# Altium PCB miniAWTRIX.PcbDoc
Units mil, origin at the board's own origin, x right, y up, seen from the top; angles counter-clockwise.
Board outline 3346.46 x 1377.95 mil, 2 copper layers (Top Layer, Bottom Layer); 46 components, 37 nets, 181 pads, 46 vias.
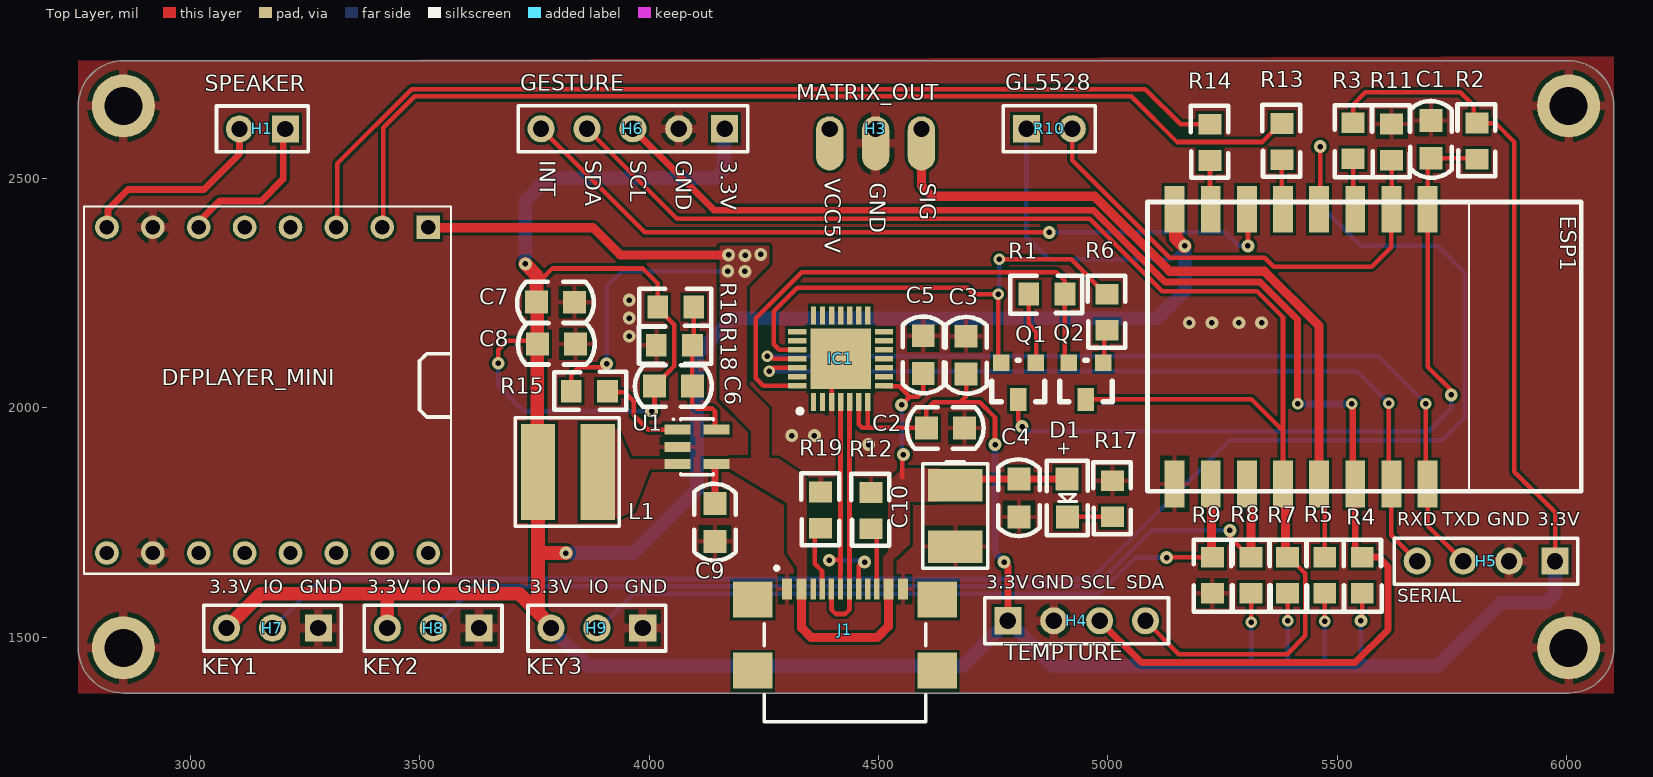
[diagram p0: Top Layer view]
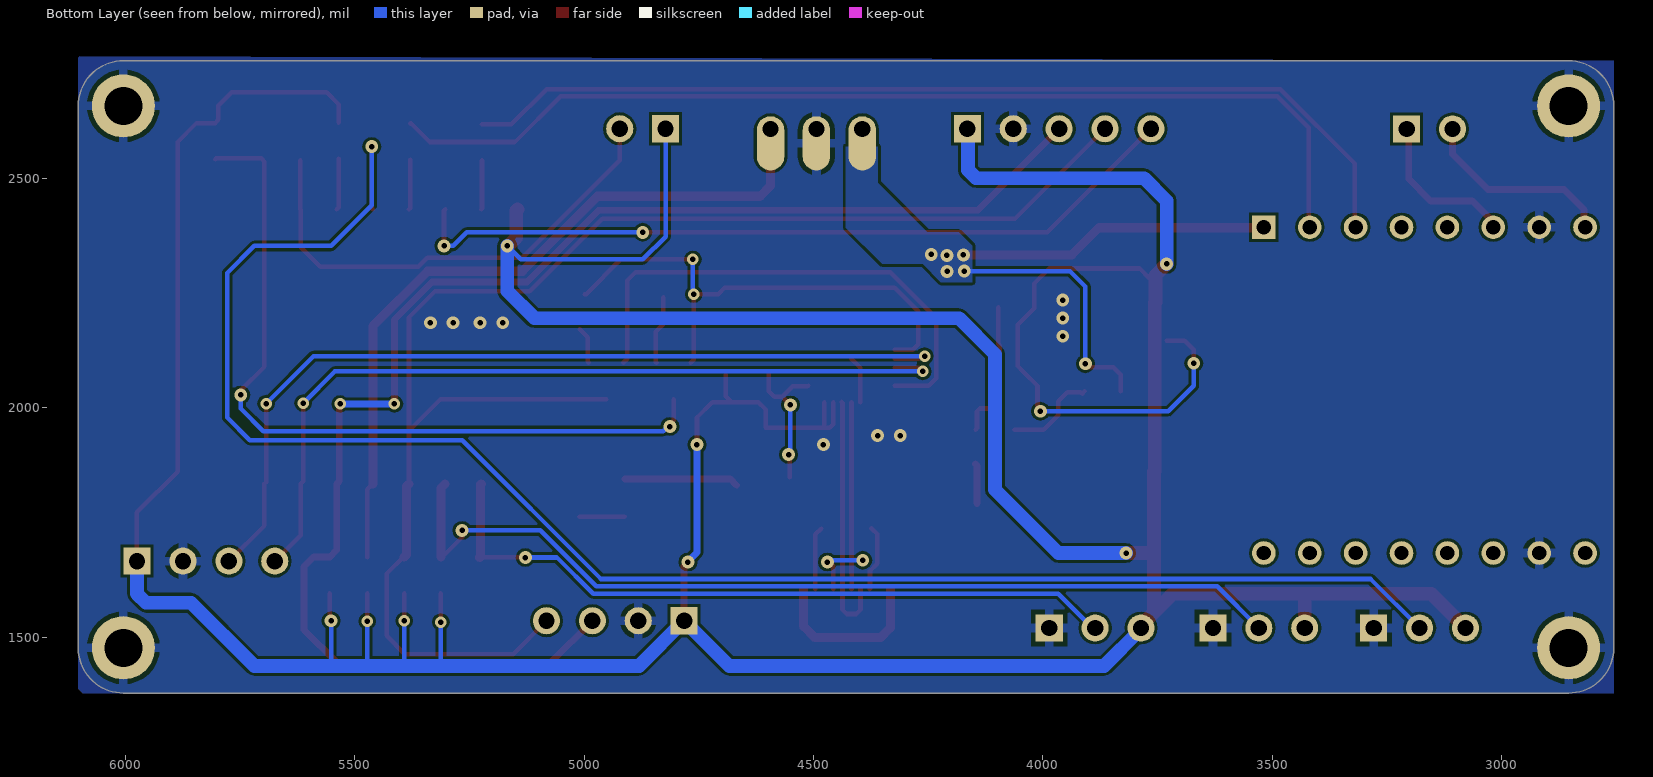
[diagram p1: Bottom Layer view, seen from below]
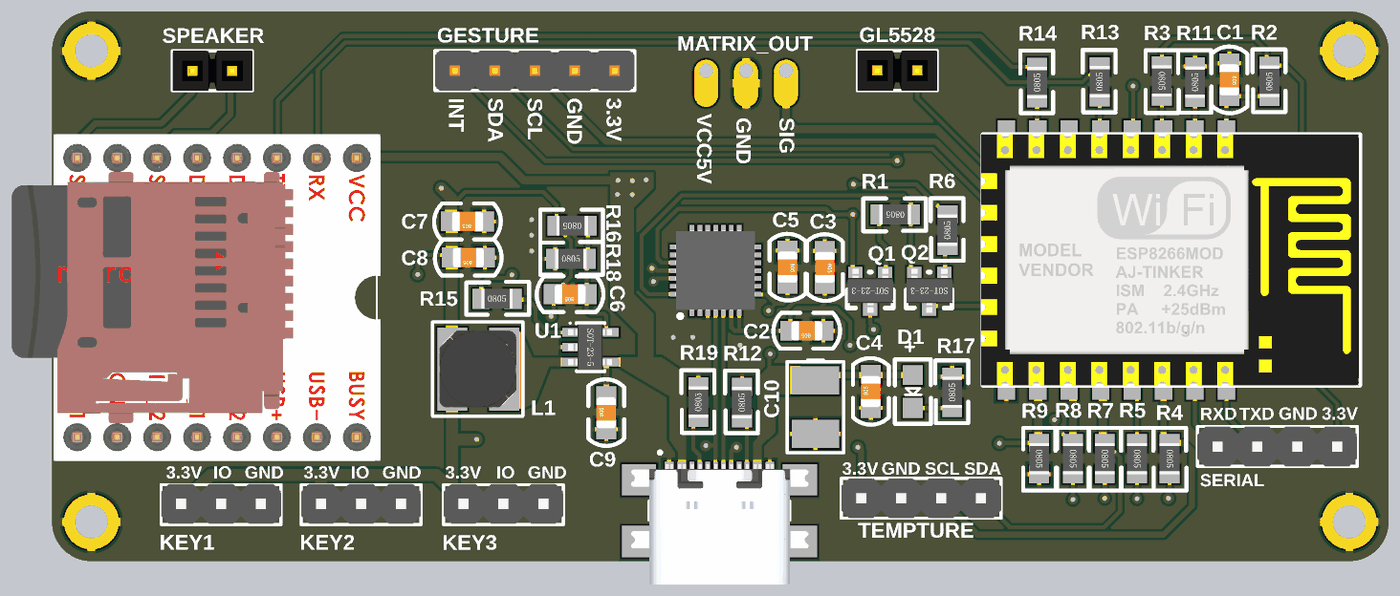
[diagram p2: 3D render of the assembled board from above, using the file's embedded part models]

## Layer stack, top to bottom
Top Solder: solder mask 0.4, Solder Resist, Dk 3.5
Top Layer: signal copper 1.4
Dielectric 1: dielectric 12.6, FR-4, Dk 4.8
Bottom Layer: signal copper 1.4
Bottom Solder: solder mask 0.4, Solder Resist, Dk 3.5

## Board outline
2755.91,1476.38 ccw(c2854.33,1476.38) 2854.33,1377.95 6003.94,1377.95 ccw(c6003.94,1476.38) 6102.36,1476.38 6102.36,2657.48 ccw(c6003.94,2657.48) 6003.94,2755.91 2854.33,2755.91 ccw(c2854.33,2657.48) 2755.91,2657.48

## Design rules (kind name [scope] priority, off if disabled: settings)
Clearance [All] p1: gap=6 ignorepadtopadclearanceinfootprint=FALSE except(0: Arc-Hole Track-Hole SMDPad-Hole THPad-Hole Via-Hole Fill-Hole Poly-Hole Region-Hole Text-Hole)
DiffPairsRouting [All] p1: maxlimit=10 minlimit=8 mostfreqgap=10 toplayer_minwidth=8 toplayer_maxwidth=15 toplayer_prefwidth=15 bottomlayer_minwidth=8 bottomlayer_maxwidth=15 bottomlayer_prefwidth=15 maxuncoupledlength=500
PolygonConnect PolygonConnect_VCC5V [InNet('VCC5V')] p1: connectstyle=Direct reliefconductorwidth=10 reliefentries=4 polygonreliefangle="90 Angle" airgapwidth=10
PolygonConnect PolygonConnect_GND [InNet('GND')] p2: thpad.connectstyle=Relief thpad.reliefconductorwidth=20 thpad.reliefentries=4 thpad.polygonreliefangle="90 Angle" thpad.airgapwidth=10 smdpad.connectstyle=Relief smdpad.reliefconductorwidth=10 smdpad.reliefentries=4 smdpad.polygonreliefangle="90 Angle" smdpad.airgapwidth=10 via.connectstyle=Direct via.reliefconductorwidth=10 via.reliefentries=4 via.polygonreliefangle="90 Angle" via.airgapwidth=10
RoutingVias [All] p1: holewidth=28 width=50 viastyle="Through Hole" minholewidth=28 minwidth=50 maxholewidth=28 maxwidth=50
SolderMaskExpansion [All] p1: expansion=4 istentingtop=FALSE
Width [All] p1: maxlimit=30 minlimit=10 preferedwidth=10
29 further rules are at their usual default settings.

## Classes and differential pairs
differential pair D: +D_P -D_N

## Components (designator, comment, footprint, x,y, rotation, side; value= is the part's Value field where it differs from the comment)
C1 "104" C0805 5703.84,2632.01 r270 top
C2 "10uF" C0805 4693.03,1955.61 r180 top
C3 "104" C0805 4690.94,2161.51 r270 top
C4 "10uF" C0805 4806.1,1755.91 r90 top
C5 "104" C0805 4597.54,2162.52 r270 top
C6 "22P" C0805 4100.49,2047.24 r180 top
C7 "22uF" C0805 3843.6,2229.52 r180 top
C8 "22uF" C0805 3845.59,2138.87 r180 top
C9 "104" C0805 4143.6,1702.64 r90 top
C10 "47uF" TAN-3528 4667.32,1830.71 r270 top
D1 "LED" LED0805 4911.22,1844.11 r270 top
DFPLAYER_MINI "DFPLAYER_MINI" DFPLAYER-MINI 3519.45,2392.95 r270 top
ESP1 "ESP-12" "ESP12F - duplicate" 6031.38,2447.99 r270 top
H1 "SPEAKER" HDR1X2_2.54 3206.91,2607.57 r180 top
H3 "MATRIX_OUT" HDR1X3 4593.6,2607.28 r180 top
H4 "TEMPTURE" HDR1X4_2.54 4781.89,1535.43 r0 top
H5 "Header1x4" HDR1X4_2.54 5974.02,1665.35 r180 top
H6 "GESTURE" HDR1X5_2.54 4164.63,2607.57 r180 top
H7 "KEY1" HDR1X3_2.54 3279.13,1519.59 r180 top
H8 "KEY2" HDR1X3_2.54 3629.53,1519.59 r180 top
H9 "KEY3" HDR1X3_2.54 3986.15,1519.59 r180 top
IC1 "CP2102-GM" QFN50P500X500X100-29N-D 4417.32,2106.3 r90 top
J1 "USB TYPE-C母座" USB-TYPEC-SMT 4171.97,1637.24 r0 top locked
L1 "2.2uH" L-CDR5*5 3757.87,1859.45 r0 top
Q1 "Q-NPN" SOT-23 4802.13,2017.72 r180 top
Q2 "Q-NPN" SOT-23 4949.77,2017.72 r180 top
R1 "4.7K" R0805 4867.13,2247.05 r180 top
R2 "4.7K" R0805 5804.13,2580.71 r90 top
R3 "4.7K" R0805 5534.45,2581.69 r270 top
R4 "4.7K" R0805 5554.13,1634.84 r270 top
R5 "4.7K" R0805 5472.44,1634.84 r270 top
R6 "4.7K" R0805 4998.03,2207.68 r90 top
R7 "4.7K" R0805 5391.73,1634.84 r270 top
R8 "4.7K" R0805 5312.01,1634.84 r270 top
R9 "4.7K" R0805 5227.36,1634.84 r270 top
R10 "GL5528" HDR1X2_2.54 4822.62,2607.28 r0 top
R11 "1K" R0805 5618.11,2578.74 r90 top
R12 "4.7K" R0805 4483.27,1775.59 r90 top
R13 "1K" R0805 5378.94,2579.72 r90 top
R14 "1K" R0805 5222.44,2577.76 r90 top
R15 "4.7K" R0805 3870.08,2035.63 r0 top
R16 "10K" R0805 4058.22,2219.07 r180 top
R17 "1K" R0805 5009.84,1801.18 r90 top
R18 "2.2K" R0805 4055.12,2135.83 r0 top
R19 "4.7K" R0805 4374.02,1776.57 r90 top
U1 "SY8089AAAC" SOT-23-5 4104.33,1914.37 r270 top

## Footprints (in the part's own frame and the unit in brackets; to place one, negate y for a bottom-side part, rotate by r counter-clockwise, add the part's x,y. Pads: shape width x height; smd on the part's side, far side on the other; paste and mask are expansions set on the pad)
C0805 [mil]
  rect 50x50 smd: 1(6,0) 2(88.7,-0.1)
  silkscreen extent -36,-45 131,45, body extent 8,-24 87,25, height 30
DFPLAYER-MINI [mm]
  rect 1.308x1.308 hole 0.8: 1(-0.003,-0.024)
  round 1.308 hole 0.8: 2(-0.003,-2.564) 3(-0.003,-5.104) 4(-0.003,-7.644) 5(-0.003,-10.184) 6(-0.003,-12.724) 7(-0.003,-15.264) 8(-0.003,-17.804) 9(18.031,-17.804) 10(18.031,-15.264) 11(18.031,-12.724) 12(18.031,-10.184) 13(18.031,-7.644) 14(18.031,-5.104) 15(18.031,-2.564) 16(18.031,-0.024)
  silkscreen extent -1.15,-19.07 19.17,1.25, body extent -1.4,-21.96 19.4,1.5, height 10.5
"ESP12F - duplicate" [mm]
  rect 2.6x1.1 smd: 1(0.401,-8.506) 2(0.401,-10.506) 3(0.401,-12.506) 4(0.401,-14.506) 5(0.401,-16.506) 6(0.401,-18.506) 7(0.401,-20.506) 8(0.401,-22.506) 15(15.601,-22.506) 16(15.601,-20.506) 17(15.601,-18.506) 18(15.601,-16.506) 19(15.601,-14.506) 20(15.601,-12.506) 21(15.601,-10.506) 22(15.601,-8.506)
  silkscreen extent 0,-24.01 16,-0.01, body extent -0.01,-24.1 16.01,-0.1, height 2.65
HDR1X2_2.54 [mm]
  rect 1.5x1.5 hole 0.9: 1(-0.01,0.007)
  round 1.5 hole 0.9: 2(2.53,0.007)
  silkscreen extent -1.28,-1.26 3.8,1.28, body extent -1.28,-1.26 3.8,1.28, height 8.41
HDR1X3 [mm]
  oval 1.524x3 hole 0.9 copper offset 0,0.8: 1(0,0) 2(2.54,0) 3(5.08,0)
HDR1X3_2.54 [mm] "Connector; Header; 3 Position"
  rect 1.5x1.5 hole 0.9: 1(0,0)
  round 1.5 hole 0.9: 2(2.54,0) 3(5.08,0)
  silkscreen extent -1.27,-1.27 6.35,1.27, body extent -1.27,-1.32 6.35,1.22, height 8.54
HDR1X4_2.54 [mm] "Connector; Header; 4 Position"
  rect 1.5x1.5 hole 0.9: 1(0,0)
  round 1.5 hole 0.9: 2(2.54,0) 3(5.08,0) 4(7.62,0)
  silkscreen extent -1.27,-1.27 8.89,1.27, body extent -1.26,-1.27 8.9,1.27, height 8.54
HDR1X5_2.54 [mm] "Connector; Header; 5 Position"
  rect 1.5x1.5 hole 0.9: 1(0,0)
  round 1.5 hole 0.9: 2(2.54,0) 3(5.08,0) 4(7.62,0) 5(10.16,0)
  silkscreen extent -1.27,-1.27 11.43,1.27, body extent -1.27,-1.27 11.43,1.27, height 10.1
L-CDR5*5 [mm]
  rect 1.9x5.3 smd: 1(0,0) 2(3.3,0)
  silkscreen extent -1.25,-3 4.5,3, body extent -0.82,-2.45 4.08,2.45, height 2.91
LED0805 [mil] "1/8W"
  rect 50x50 smd: 1(0,0) 2(82.3,0.2)
  silkscreen extent -40,-45 122,45, body extent 2,-25 80,25, height 20
QFN50P500X500X100-29N-D [mm]
  rect 1x0.3 smd: 1(-2.4,1.5) 2(-2.4,1) 3(-2.4,0.5) 4(-2.4,0) 5(-2.4,-0.5) 6(-2.4,-1) 7(-2.4,-1.5) 15(2.4,-1.5) 16(2.4,-1) 17(2.4,-0.5) 18(2.4,0) 19(2.4,0.5) 20(2.4,1) 21(2.4,1.5)
  rect 0.3x1 smd: 8(-1.5,-2.4) 9(-1,-2.4) 10(-0.5,-2.4) 11(0,-2.4) 12(0.5,-2.4) 13(1,-2.4) 14(1.5,-2.4) 22(1.5,2.4) 23(1,2.4) 24(0.5,2.4) 25(0,2.4) 26(-0.5,2.4) 27(-1,2.4) 28(-1.5,2.4)
  rect 3.35x3.35 smd: 29(0,0)
  silkscreen extent -3.02,2.12 -2.78,2.37, body extent -2.55,-2.55 2.55,2.55, height 1
R0805 [mil]
  rect 45x50 smd: 1(-39.37,0) 2(39.37,0)
  silkscreen extent -77,-40 80,42, body extent -39,-25 39,25, height 22
SOT-23 [mil]
  rect 36x36 smd: 1(-40,-80) 2(35,-80)
  rect 36x50 smd: 3(-2,0)
  silkscreen extent -60,-85 55,5, body extent -60,-93 54,17, height 47
SOT-23-5 [mm] "SOT-23/SC-74A; 5 Leads; Body 3 x 3.1 mm, inc. leads (LxW max)"
  rect 0.55x1.45 smd: 1(-0.95,-1.075) 2(0,-1.075) 3(0.95,-1.075) 4(0.95,1.075) 5(-0.95,1.075)
  silkscreen extent -1.57,-1.35 1.55,0.9, body extent -1.45,-1.42 1.45,1.38, height 1.2
TAN-3528 [mm]
  rect 1.8x3 smd: 1(0,0) 2(3.4,0)
  silkscreen extent -1.3,-1.8 4.6,1.8, body extent -0.7,-1.3 4.1,1.3, height 1.9
USB-TYPEC-SMT [mm]
  rect 2.18x2 smd: 0(1.367,-5.335) 0(1.367,-1.405) 0(11.587,-5.335) 0(11.587,-1.405)
  rect 0.55x1.15 smd: 1(3.277,-0.83) 2(4.077,-0.83) 11(8.877,-0.83) 12(9.677,-0.83)
  rect 0.3x1.15 smd: 3(4.727,-0.83) 4(5.227,-0.83) 5(5.727,-0.83) 6(6.227,-0.83) 7(6.727,-0.83) 8(7.227,-0.83) 9(7.727,-0.83) 10(8.227,-0.83)
  silkscreen extent 2.01,-8.19 10.95,0.42, body extent 0.85,-8.08 12.15,-0.4, height 3.38

## Part data
C1 C2 C3 C4 C5 C6 C7 C8 C9: library part CAP, "Cap"
C10: library part C-TAN, "钽电容"
ESP1: library part ESP12F
H1: library part Header1x2
H3 H7 H8 H9: library part Header1x3
H4: library part Header1x4
H6: library part Header1x5
IC1: "Integrated Circuit", Manufacturer_Name="Silicon Labs", Mouser Part Number=634-CP2102-GM, RS Part Number=5268841, Allied_Number=R1015739, Allied Price/Stock=http://www.alliedelec.com/silicon-laboratories-cp2102-gm/R1015739/, Datasheet Link=http://docs-emea.rs-online.com/webdocs/065a/0900766b8065a805.pdf, Height=1mm, Manufacturer_Part_Number=CP2102-GM, Mouser Price/Stock=https://www.mouser.com/Search/Refine.aspx?Keyword=634-CP2102-GM, RS Price/Stock=https://uk.rs-online.com/web/p/products/5268841
J1: library part "USB TYPE-C"
L1: library part Inductance
R1 R2 R3 R4 R5 R6 R7 R8 R9 R10 R11 R12 R13 R14 R15 R16 R17 R18 R19: library part RES

## Free pads (board coordinates)
  round 137.8 hole 82.68: 0(2854.33,1476.38) 0(2854.33,2657.48) 0(6003.94,1476.38) 0(6003.94,2657.48)

## Via types
v1: diameter 28, hole 12, Top Layer to Bottom Layer, tented both sides, 35 vias
v2: diameter 25, hole 12, Top Layer to Bottom Layer, tented both sides, 11 vias

## Nets (pads, with @x,y where several pads share a name; then routed paths per layer and width w, separated by ;. In a path a pad name is that pad's centre, name@x,y a point inside that pad or via, vN(x,y) a via of type N, cw(c..) or ccw(c..) an arc to the next point about the centre after c; other vN are vias at no path point)
A0: ESP1.2 R10.2 R11.1 | length 1067.6
  Top Layer w10: R10.2 4922.24,2538.9 5134.78,2326.36 5341.47,2326.36 5360.9,2306.94 5574.65,2306.94 5617.13,2349.41 5617.13,2431.57 ESP1.2 5618.11,2432.56 R11.1
CTS: IC1.23
D0: ESP1.4 H7.2 | length 3745.1
  Top Layer w10: ESP1.4 5462.6,2434.53 v1(5462.6,2568.9)
  Bottom Layer w10: H7.2 3286.03,1626.49 4963.1,1626.49 5265.75,1929.13 5728.35,1929.13 5777.56,1978.35 5777.56,2293.31 5718.5,2352.36 5551.18,2352.36 5462.6,2440.94 v1(5462.6,2568.9)
D1: ESP1.20 H4.3 H6.3 R4.1 | length 3164.1
  Top Layer w15: H6.3 4142.29,2429.92 4968.29,2429.92 5124.59,2273.62 5331.28,2273.62 5413.39,2191.52 v2(5413.39,2007.87) ; H4.3 5072.97,1444.35 5538.84,1444.35 5610.24,1515.75 5610.24,1653.54 5589.57,1674.21 R4.1 5554.02,1674.21 5539.02,1689.21 ESP1.20 5533.41,1839.38 5533.41,2005.96 v2(5531.5,2007.87)
  Bottom Layer w15: v2(5413.39,2007.87) v2(5531.5,2007.87)
D2: ESP1.19 H3.1 R5.1 | length 1625.9
  Top Layer w10: ESP1.19 5472.44,1821.61 R5.1
  Top Layer w20: H3.1 4593.6,2483.17 4616.14,2460.63 4970.81,2460.63 5134.32,2297.12 5341.02,2297.12 5460.28,2177.86 ESP1.19
D3: ESP1.18 H4.4 H6.4 Q2.3 R7.1 | length 3256
  Top Layer w10: H6.4 4060.79,2411.42 4960.63,2411.42 5118.11,2253.94 5324.8,2253.94 5381.54,2197.2 5381.54,1949.17 ; Q2.3 5312.99,2017.72 5381.54,1949.17 ; H4.4 5154.47,1462.85 5390.41,1462.85 5430.12,1502.56 5430.12,1638.33 5394.23,1674.21 R7.1 ; ESP1.18 5381.54,1949.17
  Top Layer w20: ESP1.18 5386.63,1828.68 5386.63,1679.31 R7.1
D4: ESP1.17 H8.2 R8.1 | length 2066.4
  Top Layer w10: v1(5265.75,1732.28) 5265.75,1717.97 5309.51,1674.21 R8.1
  Top Layer w20: ESP1.17 5312.01,1824.57 R8.1
  Bottom Layer w10: H8.2 3620.43,1610.49 4973.69,1610.49 5095.48,1732.28 v1(5265.75,1732.28)
D5: ESP1.5 R13.1 | length 109.2
  Top Layer w10: R13.1 5378.94,2434.8 ESP1.5
D6: ESP1.6 H6.5 | length 1727
  Top Layer w10: H6.5 3990.32,2381.89 v1(4872.05,2381.89) ; ESP1.6 5305.12,2429.88 v1(5305.12,2352.36)
  Bottom Layer w10: v1(4872.05,2381.89) 5255.91,2381.89 5285.43,2352.36 v1(5305.12,2352.36)
D7: ESP1.7 R14.1 | length 106.8
  Top Layer w10: R14.1 5222.44,2433.82 ESP1.7
D8: ESP1.16 H9.2 R9.1 | length 1567.1
  Top Layer w10: v1(5127.95,1673.23) 5128.94,1674.21 5226.38,1674.21 R9.1
  Top Layer w20: ESP1.16 5225.71,1832.12 5225.71,1674.88 5226.38,1674.21 R9.1@5227.36,1673.23
  Bottom Layer w10: H9.2@3887.8,1515.75 3966.54,1594.49 4980.31,1594.49 5059.06,1673.23 v1(5127.95,1673.23)
D9: ESP1.21 H5.4 IC1.26 | length 1813.3
  Top Layer w10: v2(4261.81,2078.74) 4269.68,2086.61 IC1.26 ; v2(5612.2,2009.84) 5612.2,1839.33 ESP1.21 5617.76,1721.61 H5.4
  Bottom Layer w10: v2(4261.81,2078.74) 5543.31,2078.74 v2(5612.2,2009.84)
D10: ESP1.22 H5.3 IC1.25 | length 1912.7
  Top Layer w10: v2@4266.73,2110.24 4270.67,2106.3 IC1.25 ; v2(5692.91,2008.86) 5692.91,1837.36 ESP1.22 5696.5,1742.87 H5.3
  Bottom Layer w10: v2(4257.87,2112.2) 5589.57,2112.2 v2(5692.91,2008.86)
D_N: IC1.5 J1.5 J1.7 | length 545.8
  Top Layer w10: J1.5@4397.69,1604.82 J1.5 4397.44,1559.25 4406.5,1550.2 4427.17,1550.2 4436.81,1559.84 J1.7 4436.81,2010.55 IC1.5@4438.46,2012.2
D_P: IC1.4 J1.6 J1.8 | length 577.9
  Top Layer w10: v1(4392.72,1667.32) 4393.7,1668.31 4417.13,1668.31 ; J1.6 4416.78,1604.91 4416.78,1638.2 4417.13,1638.55 4417.13,1668.31 ; IC1.4 4417.13,2011.61 4417.13,1668.31 ; J1.8 4456.5,1655.32 4464.57,1663.39 v1(4469.49,1663.39)
  Bottom Layer w10: v1(4392.72,1667.32) 4465.55,1667.32 v1(4469.49,1663.39)
DCD: IC1.1
DSR: IC1.27
DTR: IC1.28 Q2.2 R1.1 | length 1134.2
  Top Layer w10: IC1.28 4249.02,2047.24 4232.28,2063.98 4232.28,2194.88 4332.68,2295.28 4887.8,2295.28 4906.11,2276.96 4906.11,2247.05 4906.11,2106.38 Q2.2
GND: C1.1 C2.1 C3.1 C4.1 C5.1 C7.1 C8.1 C9.1 C10.2 DFPLAYER_MINI.7 DFPLAYER_MINI.10 ESP1.15 H3.2 H4.2 H5.2 H6.2 H7.1 H8.1 H9.1 IC1.3 IC1.29 J1.1 J1.12 pad.0 R9.2 R11.2 R12.2 R17.2 R18.1 R19.2 U1.2 | length 102.6
  Top Layer w10: IC1.3 4397.64,2086.61 IC1.29
  other v1: 4478.35,1919.29 4311.02,1938.98 4360.24,1938.98 3956.69,2155.51 5177.17,2185.04 5226.38,2185.04 5285.43,2185.04 5334.65,2185.04 3956.69,2194.88 3956.69,2234.25
NetC6_1: C6.1 R16.1 R18.2 U1.5 | length 306.9
  Top Layer w10: C6.1 4094.49,2007.87 4104.33,1998.03 4137.84,1998.03 4143.7,1992.17 4143.7,1954.73 U1.5 ; R16.1 4097.59,2138.93 R18.2 4094.49,2057.09 C6.1@4099.41,2052.17
NetD1_2: D1.2 R17.1 | length 98.4
  Top Layer w10: D1.2 R17.1
NetDFPLAYER_MINI_2: DFPLAYER_MINI.2 R13.2 | length 2261
  Top Layer w10: DFPLAYER_MINI.2@3420.87,2393.07 3420.87,2609.84 3489.17,2678.15 5051.18,2678.15 5150.59,2578.74 5336.08,2578.74 5376.44,2619.09 R13.2
NetDFPLAYER_MINI_3: DFPLAYER_MINI.3 R14.2 | length 2139.8
  Top Layer w10: DFPLAYER_MINI.3@3320.87,2393.07 3320.87,2532.47 3482.55,2694.15 5081.44,2694.15 5158.46,2617.13 R14.2
NetESP1_3: ESP1.3 R3.2 | length 112
  Top Layer w10: R3.2 5534.45,2436.77 ESP1.3
NetJ1_4: J1.4 R19.1 | length 144.8
  Top Layer w10: R19.1 4361.22,1724.41 4361.22,1659.45 4376.85,1643.82 4376.85,1605.47 J1.4
NetJ1_10: J1.10 R12.1 | length 136.9
  Top Layer w10: R12.1 4495.87,1723.62 J1.10
NetL1_2: L1.2 U1.3
NetQ1_1: Q1.1 R1.2 | length 150
  Top Layer w10: R1.2@4827.37,2240.43 4827.37,2181.49 4843.5,2165.35 4843.5,2099.09 Q1.1
NetQ2_1: Q2.1 R6.1 | length 81
  Top Layer w10: Q2.1 4991.96,2099.9 4991.96,2153.05 R6.1@5009.46,2170.55
NetR15_2: R15.2 U1.1 | length 207.7
  Top Layer w10: R15.2 3914.56,2030.51 3917.51,2033.46 3946.95,2033.46 3966.54,2013.87 3966.54,1983.27 3998.03,1951.77 U1.1
RI: IC1.2
RST: C1.2 ESP1.1 Q1.3 R2.1 | length 1693.7
  Top Layer w10: Q1.3 4804.13,1972.39 4812.99,1963.53 v1(4812.99,1958.66) ; v1(5748.03,2027.56) 5748.81,2028.34 5748.81,2036.62 5696.5,2088.94 ESP1.1 5696.5,2536.06 C1.2 5802.17,2543.31 R2.1
  Bottom Layer w10: v1(4812.99,1958.66) 4817.86,1958.66 4827.71,1948.82 5698.82,1948.82 5748.03,1998.03 v1(5748.03,2027.56)
RTS: IC1.24 Q1.2 R6.2 | length 1139.2
  Top Layer w10: IC1.24 4283.46,2125.98 4271.65,2137.8 4271.65,2209.65 4322.83,2260.83 4693.9,2260.83 4707.68,2247.05 v2(4760.83,2247.05) 4760.83,2104.02 Q1.2 ; v2(4762.8,2322.83) 4919.74,2322.83 4995.53,2247.05 R6.2
  Bottom Layer w10: v2(4760.83,2247.05) 4762.8,2249.02 v2(4762.8,2322.83)
SPK1: DFPLAYER_MINI.6 H1.1 | length 349.3
  Top Layer w15: DFPLAYER_MINI.6@3012.38,2399.19 3063.51,2450.32 3155.05,2450.32 3202.7,2497.98 3202.7,2602.7 H1.1 ; DFPLAYER_MINI.6@3020.87,2377.95 DFPLAYER_MINI.6@3025.74,2382.82
SPK2: DFPLAYER_MINI.8 H1.2 | length 429.8
  Top Layer w15: DFPLAYER_MINI.8@2820.87,2393.07 2820.87,2432.09 2864.17,2475.39 3029.75,2475.39 3107.28,2552.93 H1.2
VCC3.3V: C2.2 C3.2 C6.2 C7.2 C8.2 ESP1.8 H4.1 H5.1 H6.1 H7.3 H8.3 H9.3 IC1.6 IC1.7 L1.1 R2.2 R3.1 R4.2 R5.2 R7.2 R8.2 R10.1 R16.2 | length 11505.7
  Top Layer w10: v1(3671.26,2096.46) 3671.26,2125.98 3690.94,2145.67 3730.32,2145.67 ; 3754.9,2268.67 3764.76,2278.54 3789.37,2303.15 3986.22,2303.15 4018.85,2270.52 R16.2 4018.85,2216.57 4055.12,2180.31 4055.12,2090.67 4043.99,2079.54 C6.2 v1@4011.79,2003.91 ; IC1.6 4456.69,1963.58 4464.57,1955.71 4477.36,1955.71 ; IC1.7 4476.38,1956.69 4477.36,1955.71 ; C3.2 4690.84,2024.51 4678.15,2011.81 ; v1(4753.94,1919.29) 4753.94,1978.35 4720.47,2011.81 4678.15,2011.81 ; v2(5312.01,1532.48) R8.2 ; v2(5391.73,1535.43) R7.2 ; v2(5472.44,1534.45) R5.2 ; R3.1 5534.45,2660.43 5561.02,2687.01 5767.72,2687.01 5797.24,2657.48 5797.24,2626.97 R2.2 5844.49,2620.08 5885.83,2578.74 5885.83,1860.24 5974.41,1771.65 5974.41,1665.75 H5.1 ; v1(5551.18,1535.43) 5554.13,1538.39 R4.2 ; 4477.36,1955.71 C2.2 4604.33,1995.71 4620.43,2011.81 4678.15,2011.81
  Top Layer w15: v1(4773.62,1663.39) 4781.89,1655.12 H4.1
  Top Layer w30: H7.3 3154.03,1594.49 3429.53,1594.49 ; H8.3 3429.53,1594.49 ; v1(3730.32,2312.99) 3754.9,2288.41 3754.9,2268.67 C7.2 3756.38,2228.14 3756.38,2138.97 3756.38,1860.93 L1.1 3757.87,1683.07 ; H9.3@3787.8,1515.75 3787.8,1523.61 3757.87,1553.53 ; v1(3818.9,1683.07) 3757.87,1683.07 ; ESP1.8 5147.64,2429.88 5147.64,2369.94 5165.21,2352.36 v1(5167.32,2352.36) ; 3429.53,1594.49 3716.92,1594.49 3757.87,1553.53 ; 3757.87,1553.53 3757.87,1683.07
  Bottom Layer w10: v1(3671.26,2096.46) 3671.26,2047.24 3726.64,1991.86 v1(4005.47,1991.86) ; R10.1 4822.24,2372.64 4872.05,2322.83 5137.8,2322.83 v1(5167.32,2352.36) ; 5305.12,1437.01 5312.01,1443.9 v2(5312.01,1532.48) ; 5383.86,1437.01 5391.73,1444.88 v2(5391.73,1535.43) ; 5472.44,1437.01 v2(5472.44,1534.45) ; 5551.18,1437.01 v1(5551.18,1535.43)
  Bottom Layer w15: v1(4753.94,1919.29) 4753.94,1684.71 4773.62,1665.03 v1(4773.62,1663.39)
  Bottom Layer w30: v1(3730.32,2312.99) 3730.32,2450.79 3779.53,2500 4145.81,2500 4163.39,2517.57 4163.39,2606.33 H6.1 ; H9.3@3787.8,1515.75 3866.54,1437.01 4683.46,1437.01 H4.1 4880.31,1437.01 5305.12,1437.01 5383.86,1437.01 5472.44,1437.01 5551.18,1437.01 5718.5,1437.01 5856.3,1574.8 5954.72,1574.8 5974.02,1594.09 H5.1 ; v1(3818.9,1683.07) 3966.54,1683.07 4104.33,1820.87 4104.33,2116.14 4183.07,2194.88 5108.27,2194.88 5167.32,2253.94 v1(5167.32,2352.36)
VCC5V: C4.2 C5.2 C9.2 C10.1 D1.1 DFPLAYER_MINI.1 H3.3 IC1.8 J1.2 J1.11 R15.1 U1.4 | length 2282.2
  Top Layer w10: R15.1 3830.71,2071.85 3846.46,2087.6 3899.61,2087.6 v1(3907.48,2095.47) ; IC1.8 4512.72,2046.34 4545.2,2046.34 4567.91,2023.62 ; v1(4550.2,2005.91) 4567.91,2023.62 ; 4552.17,1848.43 4552.17,1895.67 v1(4554.13,1897.64) ; C5.2 4597.44,2035.43 4585.63,2023.62 4567.91,2023.62
  Top Layer w15: C9.2 4143.7,1874.01 U1.4 ; C10.1 4680.73,1844.11 D1.1
  Top Layer w20: DFPLAYER_MINI.1 3519.84,2391.73 3877.95,2391.73 3937.01,2332.68 v1(4173.23,2332.68) ; J1.2 4332.48,1519.88 4353.35,1499.02 4497.05,1499.02 4521.46,1523.43 J1.11
  Bottom Layer w10: v1(3907.48,2095.47) 3907.48,2263.78 3941.01,2297.31 v1(4171.47,2297.31) ; v1(4550.2,2005.91) 4550.2,1901.57 v1(4554.13,1897.64)
  other v1: 4208.81,2296.83 4209.05,2331.5 4243.23,2333.68
pads on no net: DFPLAYER_MINI.4 DFPLAYER_MINI.5 DFPLAYER_MINI.9 DFPLAYER_MINI.11 DFPLAYER_MINI.12 DFPLAYER_MINI.13 DFPLAYER_MINI.14 DFPLAYER_MINI.15 DFPLAYER_MINI.16 IC1.9 IC1.10 IC1.11 IC1.12 IC1.13 IC1.14 IC1.15 IC1.16 IC1.17 IC1.18 IC1.19 IC1.20 IC1.21 IC1.22 J1.0 J1.3 J1.9

## Polygon pours and split planes (outlines as drawn)
GND on Top Layer "GND_L01_P006" (solid, pour order 6): 6102.36,2765.75 6102.36,1377.95 2755.91,1377.95 2755.91,2755.91
VCC5V on Top Layer "VCC5V_L01_P004" (solid, pour order 4): 4261.81,1889.76 4261.81,1998.03 4212.6,2047.24 4212.6,2263.78 4261.81,2312.99 4261.81,2352.36 4153.54,2352.36 4153.54,2017.72 4222.44,1948.82 4222.44,1879.92
VCC5V on Top Layer "Top Layer-VCC5V 1" (solid, pour order 0): 4322.83,1598.43 4343.5,1598.43 4343.5,1761.81 4343.5,1847.44 4281.5,1889.59 4173.23,1889.59 4173.23,1884.11 4173.23,1867.71 4301.18,1791.34 4301.18,1682.79 4322.83,1650.62
NetL1_2 on Top Layer "NETL1_2_L01_P003" (solid, pour order 3): 3898.62,1962.6 3926.18,1962.6 3959.08,1887.8 4000.98,1887.8 4045.28,1887.8 4045.28,1867.13 4044.89,1866.14 4000.98,1866.14 3965.26,1774.62 3925.2,1755.91 3898.62,1755.91 3888.78,1767.72
VCC5V on Top Layer "Top Layer-VCC5V" (solid, pour order 2): 4532.48,1630.91 4532.48,1606.3 4510.83,1606.3 4510.83,1675.2 4521.65,1686.02 4521.65,1837.6 4552.17,1868.11 4630.91,1868.11 4630.91,1798.23 4627.95,1795.28 4567.91,1795.28 4567.91,1701.77 4532.48,1668.31
GND on Bottom Layer "GND_L02_P007" (solid, pour order 7): 2755.91,2755.91 2755.91,1377.95 6092.52,1377.95 6102.36,1387.8 6102.36,2765.75
VCC5V on Bottom Layer "VCC5V_L02_P005" (solid, pour order 5): 4153.54,2273.62 4222.44,2273.62 4261.81,2312.99 4350.39,2312.99 4429.13,2391.73 4429.13,2568.9 4360.24,2568.9 4360.24,2490.16 4251.97,2381.89 4183.07,2381.89 4153.54,2352.36

## Silkscreen, mask and mechanical layers (free items; w line width, h text height)
Top Overlay:
  text "INT" at 3750,2539.37 h60 r270
  text "SDA" at 3848.43,2539.37 h60 r270
  text "SCL" at 3946.85,2539.37 h60 r270
  text "GND" at 4046,2539.37 h60 r270
  text "3.3V" at 4144.42,2539.37 h60 r270
  text "VCC5V" at 4370.8,2500 h60 r270
  text "GND" at 4469.23,2490.16 h60 r270
  text "SIG" at 4577.49,2490.16 h60 r270
  text "GND" at 5826.77,1732.88 h50
  text "3.3V" at 5935.04,1732.88 h50
  text "RXD" at 5629.92,1732.28 h50
  text "TXD" at 5728.35,1732.28 h50
  text "3.3V" at 4734.25,1595.09 h50
  text "GND" at 4832.68,1595.09 h50
  text "SCL" at 4940.94,1595.09 h50
  text "SDA" at 5039.37,1595.09 h50
  text "3.3V" at 3041.34,1585.25 h50
  text "IO" at 3159.45,1585.25 h50
  text "GND" at 3238.19,1585.25 h50
  text "3.3V" at 3385.83,1585.25 h50
  text "IO" at 3503.94,1585.25 h50
  text "GND" at 3582.68,1585.25 h50
  text "3.3V" at 3740.16,1585.25 h50
  text "IO" at 3868.11,1585.25 h50
  text "GND" at 3946.85,1585.25 h50
  text "SERIAL" at 5629.92,1565.56 h50
Mechanical 1:
  the board outline again, w8

## Text inside footprints (layer, text, board x,y; h text height)
D1: Top Overlay "+" at 4892.22,1893.11 h30 r270